# KiCad board panel.opm-inline.kicad_pcb (continued)
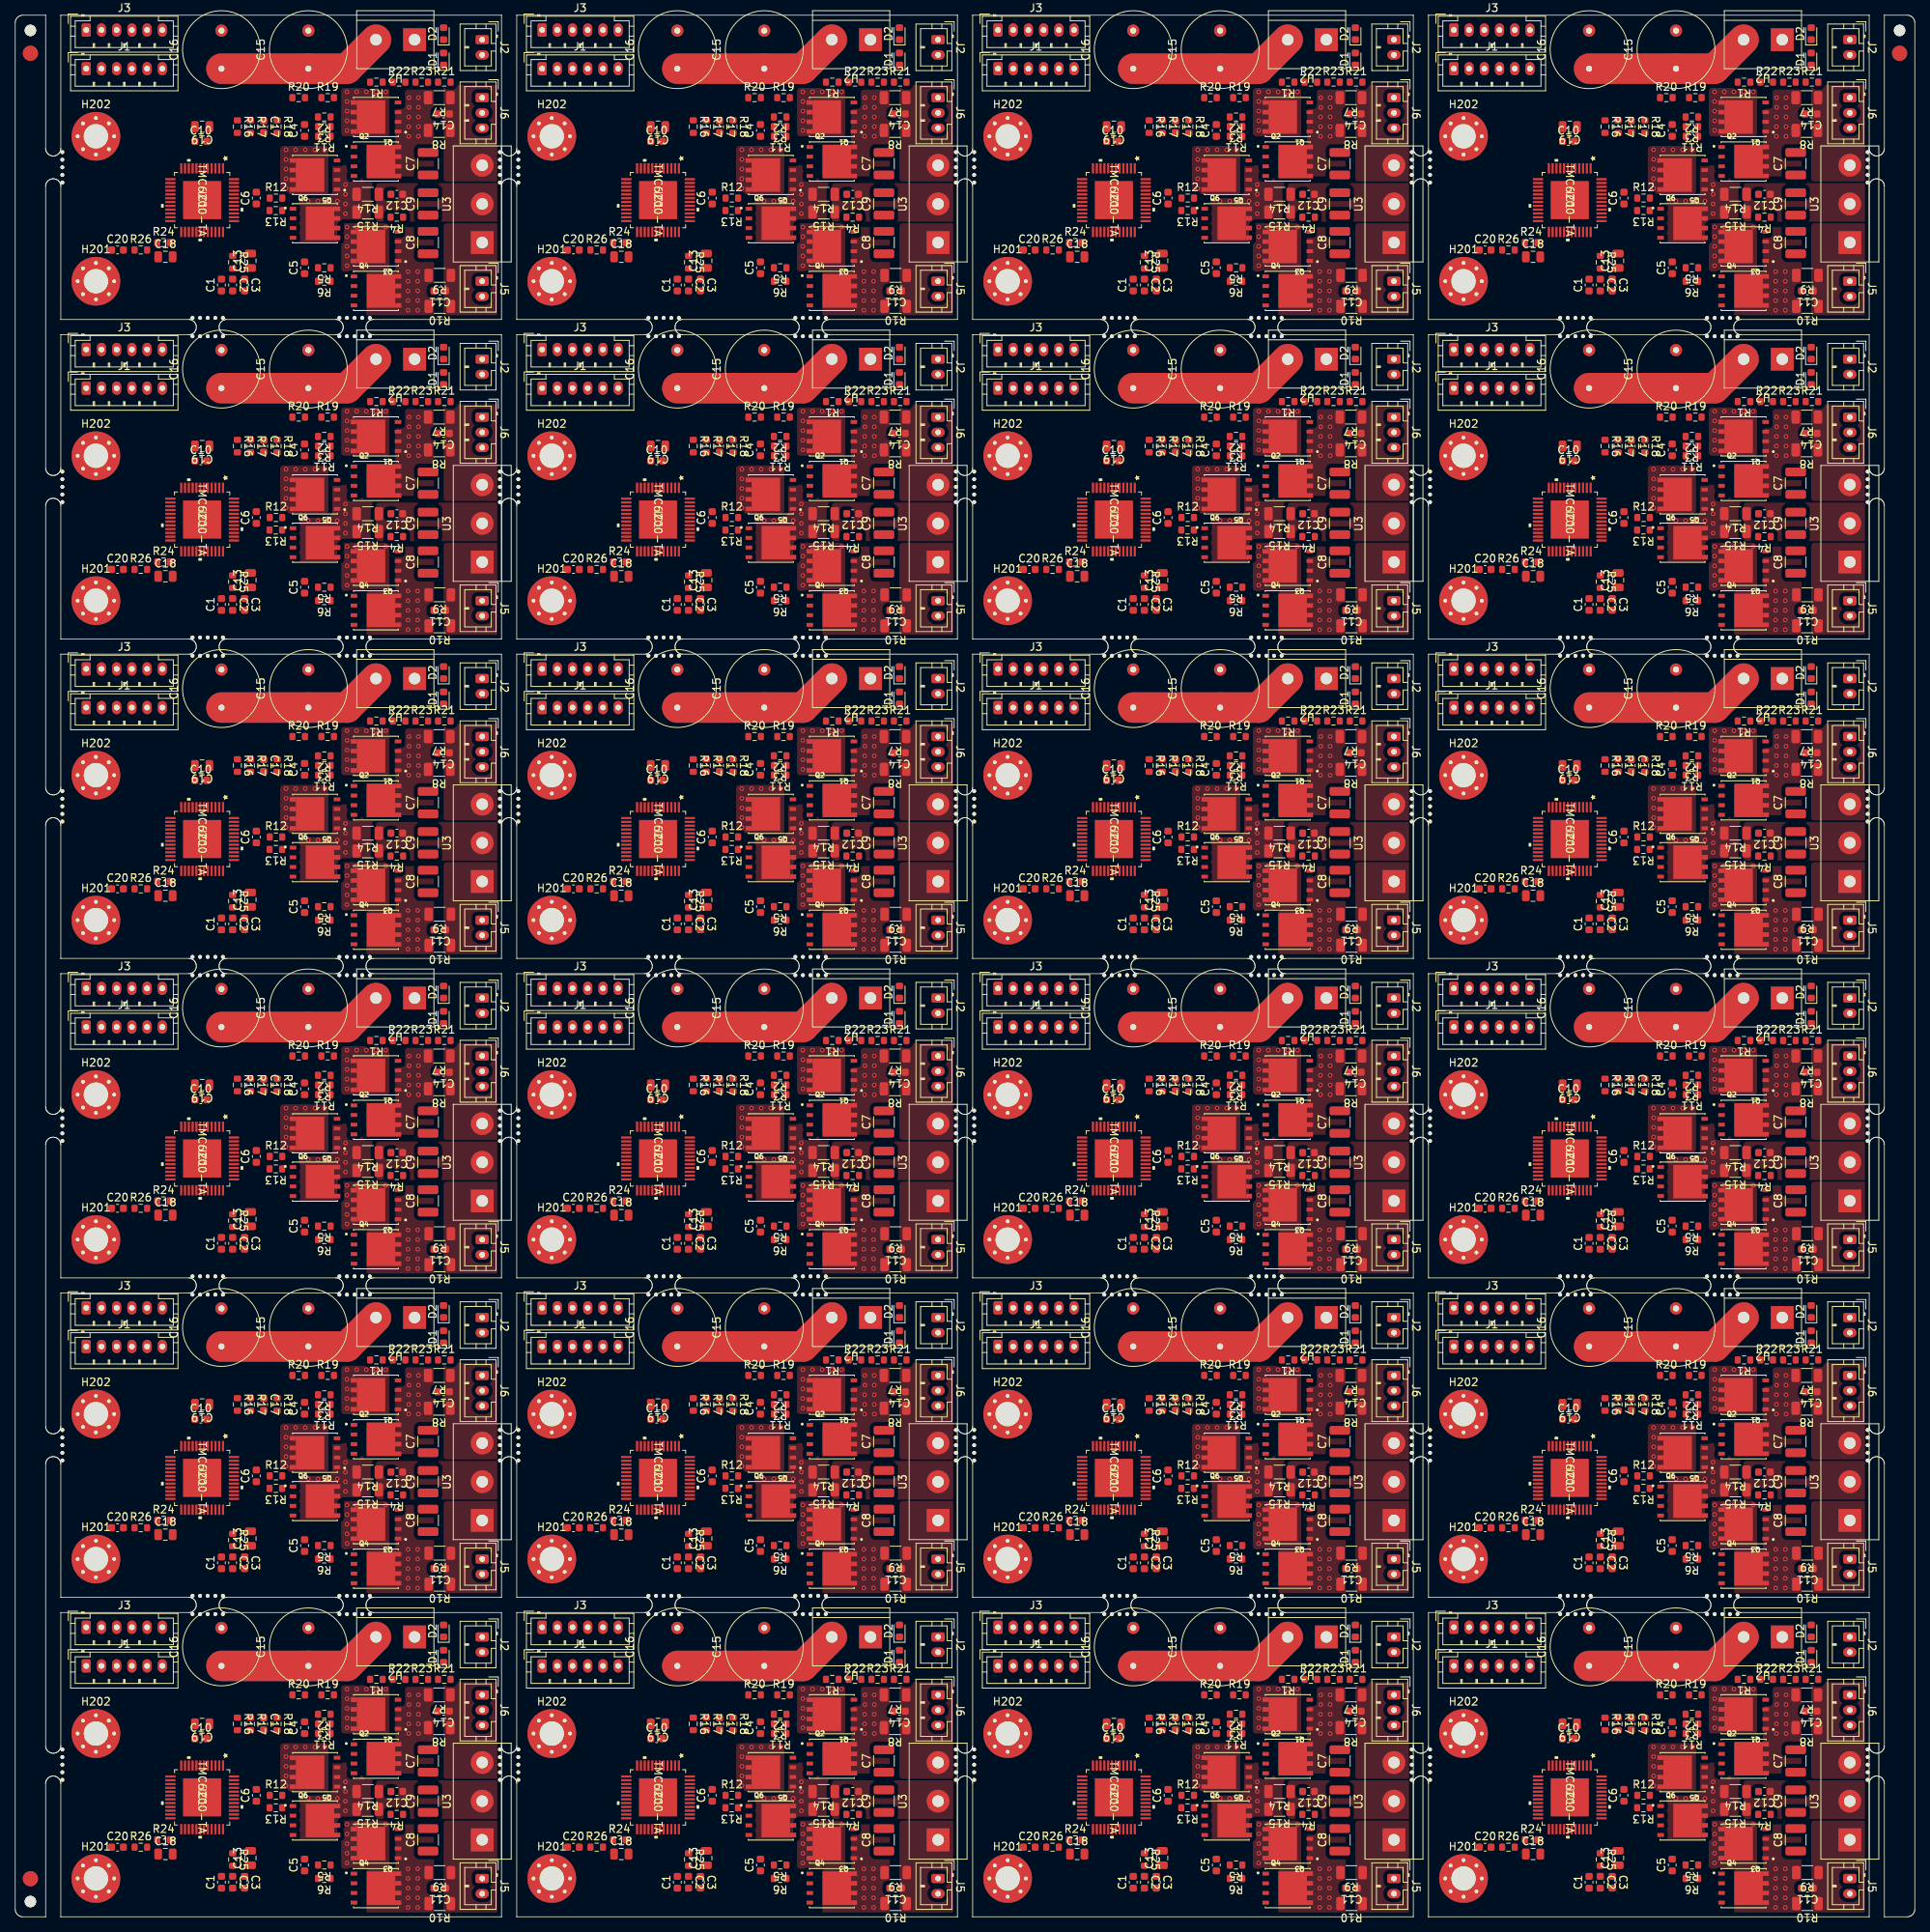
[diagram p0: board, top side]
## Placement (name value [footprint] x y rotation side) (continued)
R15#12  0R005/1%/1W  [R_1206_3216Metric]  226.21 140.1 180 top
R15#13  0R005/1%/1W  [R_1206_3216Metric]  46.36 98.11 180 top
R15#14  0R005/1%/1W  [R_1206_3216Metric]  106.31 98.11 180 top
R15#15  0R005/1%/1W  [R_1206_3216Metric]  166.26 98.11 180 top
R15#16  0R005/1%/1W  [R_1206_3216Metric]  226.21 98.11 180 top
R15#17  0R005/1%/1W  [R_1206_3216Metric]  46.36 56.12 180 top
R15#18  0R005/1%/1W  [R_1206_3216Metric]  106.31 56.12 180 top
R15#19  0R005/1%/1W  [R_1206_3216Metric]  166.26 56.12 180 top
R15#20  0R005/1%/1W  [R_1206_3216Metric]  226.21 56.12 180 top
R15#21  0R005/1%/1W  [R_1206_3216Metric]  46.36 14.13 180 top
R15#22  0R005/1%/1W  [R_1206_3216Metric]  106.31 14.13 180 top
R15#23  0R005/1%/1W  [R_1206_3216Metric]  166.26 14.13 180 top
R15#24  0R005/1%/1W  [R_1206_3216Metric]  226.21 14.13 180 top
R16  10000R/1%  [R_0603_1608Metric]  29.22 235.31 270 top
R16#2  10000R/1%  [R_0603_1608Metric]  89.17 235.31 270 top
R16#3  10000R/1%  [R_0603_1608Metric]  149.12 235.31 270 top
R16#4  10000R/1%  [R_0603_1608Metric]  209.07 235.31 270 top
R16#5  10000R/1%  [R_0603_1608Metric]  29.22 193.32 270 top
R16#6  10000R/1%  [R_0603_1608Metric]  89.17 193.32 270 top
R16#7  10000R/1%  [R_0603_1608Metric]  149.12 193.32 270 top
R16#8  10000R/1%  [R_0603_1608Metric]  209.07 193.32 270 top
R16#9  10000R/1%  [R_0603_1608Metric]  29.22 151.33 270 top
R16#10  10000R/1%  [R_0603_1608Metric]  89.17 151.33 270 top
R16#11  10000R/1%  [R_0603_1608Metric]  149.12 151.33 270 top
R16#12  10000R/1%  [R_0603_1608Metric]  209.07 151.33 270 top
R16#13  10000R/1%  [R_0603_1608Metric]  29.22 109.34 270 top
R16#14  10000R/1%  [R_0603_1608Metric]  89.17 109.34 270 top
R16#15  10000R/1%  [R_0603_1608Metric]  149.12 109.34 270 top
R16#16  10000R/1%  [R_0603_1608Metric]  209.07 109.34 270 top
R16#17  10000R/1%  [R_0603_1608Metric]  29.22 67.35 270 top
R16#18  10000R/1%  [R_0603_1608Metric]  89.17 67.35 270 top
R16#19  10000R/1%  [R_0603_1608Metric]  149.12 67.35 270 top
R16#20  10000R/1%  [R_0603_1608Metric]  209.07 67.35 270 top
R16#21  10000R/1%  [R_0603_1608Metric]  29.22 25.36 270 top
R16#22  10000R/1%  [R_0603_1608Metric]  89.17 25.36 270 top
R16#23  10000R/1%  [R_0603_1608Metric]  149.12 25.36 270 top
R16#24  10000R/1%  [R_0603_1608Metric]  209.07 25.36 270 top
R17  4700R/1%  [R_0603_1608Metric]  30.93 235.31 270 top
R17#2  4700R/1%  [R_0603_1608Metric]  90.88 235.31 270 top
R17#3  4700R/1%  [R_0603_1608Metric]  150.83 235.31 270 top
R17#4  4700R/1%  [R_0603_1608Metric]  210.78 235.31 270 top
R17#5  4700R/1%  [R_0603_1608Metric]  30.93 193.32 270 top
R17#6  4700R/1%  [R_0603_1608Metric]  90.88 193.32 270 top
R17#7  4700R/1%  [R_0603_1608Metric]  150.83 193.32 270 top
R17#8  4700R/1%  [R_0603_1608Metric]  210.78 193.32 270 top
R17#9  4700R/1%  [R_0603_1608Metric]  30.93 151.33 270 top
R17#10  4700R/1%  [R_0603_1608Metric]  90.88 151.33 270 top
R17#11  4700R/1%  [R_0603_1608Metric]  150.83 151.33 270 top
R17#12  4700R/1%  [R_0603_1608Metric]  210.78 151.33 270 top
R17#13  4700R/1%  [R_0603_1608Metric]  30.93 109.34 270 top
R17#14  4700R/1%  [R_0603_1608Metric]  90.88 109.34 270 top
R17#15  4700R/1%  [R_0603_1608Metric]  150.83 109.34 270 top
R17#16  4700R/1%  [R_0603_1608Metric]  210.78 109.34 270 top
R17#17  4700R/1%  [R_0603_1608Metric]  30.93 67.35 270 top
R17#18  4700R/1%  [R_0603_1608Metric]  90.88 67.35 270 top
R17#19  4700R/1%  [R_0603_1608Metric]  150.83 67.35 270 top
R17#20  4700R/1%  [R_0603_1608Metric]  210.78 67.35 270 top
R17#21  4700R/1%  [R_0603_1608Metric]  30.93 25.36 270 top
R17#22  4700R/1%  [R_0603_1608Metric]  90.88 25.36 270 top
R17#23  4700R/1%  [R_0603_1608Metric]  150.83 25.36 270 top
R17#24  4700R/1%  [R_0603_1608Metric]  210.78 25.36 270 top
R18  4700R/1%  [R_0603_1608Metric]  34.44 235.31 270 top
R18#2  4700R/1%  [R_0603_1608Metric]  94.39 235.31 270 top
R18#3  4700R/1%  [R_0603_1608Metric]  154.34 235.31 270 top
R18#4  4700R/1%  [R_0603_1608Metric]  214.29 235.31 270 top
R18#5  4700R/1%  [R_0603_1608Metric]  34.44 193.32 270 top
R18#6  4700R/1%  [R_0603_1608Metric]  94.39 193.32 270 top
R18#7  4700R/1%  [R_0603_1608Metric]  154.34 193.32 270 top
R18#8  4700R/1%  [R_0603_1608Metric]  214.29 193.32 270 top
R18#9  4700R/1%  [R_0603_1608Metric]  34.44 151.33 270 top
R18#10  4700R/1%  [R_0603_1608Metric]  94.39 151.33 270 top
R18#11  4700R/1%  [R_0603_1608Metric]  154.34 151.33 270 top
R18#12  4700R/1%  [R_0603_1608Metric]  214.29 151.33 270 top
R18#13  4700R/1%  [R_0603_1608Metric]  34.44 109.34 270 top
R18#14  4700R/1%  [R_0603_1608Metric]  94.39 109.34 270 top
R18#15  4700R/1%  [R_0603_1608Metric]  154.34 109.34 270 top
R18#16  4700R/1%  [R_0603_1608Metric]  214.29 109.34 270 top
R18#17  4700R/1%  [R_0603_1608Metric]  34.44 67.35 270 top
R18#18  4700R/1%  [R_0603_1608Metric]  94.39 67.35 270 top
R18#19  4700R/1%  [R_0603_1608Metric]  154.34 67.35 270 top
R18#20  4700R/1%  [R_0603_1608Metric]  214.29 67.35 270 top
R18#21  4700R/1%  [R_0603_1608Metric]  34.44 25.36 270 top
R18#22  4700R/1%  [R_0603_1608Metric]  94.39 25.36 270 top
R18#23  4700R/1%  [R_0603_1608Metric]  154.34 25.36 270 top
R18#24  4700R/1%  [R_0603_1608Metric]  214.29 25.36 270 top
R19  1000R/1%  [R_0603_1608Metric]  41.09 239.12 0 top
R19#2  1000R/1%  [R_0603_1608Metric]  101.04 239.12 0 top
R19#3  1000R/1%  [R_0603_1608Metric]  160.99 239.12 0 top
R19#4  1000R/1%  [R_0603_1608Metric]  220.94 239.12 0 top
R19#5  1000R/1%  [R_0603_1608Metric]  41.09 197.13 0 top
R19#6  1000R/1%  [R_0603_1608Metric]  101.04 197.13 0 top
R19#7  1000R/1%  [R_0603_1608Metric]  160.99 197.13 0 top
R19#8  1000R/1%  [R_0603_1608Metric]  220.94 197.13 0 top
R19#9  1000R/1%  [R_0603_1608Metric]  41.09 155.14 0 top
R19#10  1000R/1%  [R_0603_1608Metric]  101.04 155.14 0 top
R19#11  1000R/1%  [R_0603_1608Metric]  160.99 155.14 0 top
R19#12  1000R/1%  [R_0603_1608Metric]  220.94 155.14 0 top
R19#13  1000R/1%  [R_0603_1608Metric]  41.09 113.15 0 top
R19#14  1000R/1%  [R_0603_1608Metric]  101.04 113.15 0 top
R19#15  1000R/1%  [R_0603_1608Metric]  160.99 113.15 0 top
R19#16  1000R/1%  [R_0603_1608Metric]  220.94 113.15 0 top
R19#17  1000R/1%  [R_0603_1608Metric]  41.09 71.16 0 top
R19#18  1000R/1%  [R_0603_1608Metric]  101.04 71.16 0 top
R19#19  1000R/1%  [R_0603_1608Metric]  160.99 71.16 0 top
R19#20  1000R/1%  [R_0603_1608Metric]  220.94 71.16 0 top
R19#21  1000R/1%  [R_0603_1608Metric]  41.09 29.17 0 top
R19#22  1000R/1%  [R_0603_1608Metric]  101.04 29.17 0 top
R19#23  1000R/1%  [R_0603_1608Metric]  160.99 29.17 0 top
R19#24  1000R/1%  [R_0603_1608Metric]  220.94 29.17 0 top
R20  150R/1%  [R_0603_1608Metric]  37.28 239.12 0 top
R20#2  150R/1%  [R_0603_1608Metric]  97.23 239.12 0 top
R20#3  150R/1%  [R_0603_1608Metric]  157.18 239.12 0 top
R20#4  150R/1%  [R_0603_1608Metric]  217.13 239.12 0 top
R20#5  150R/1%  [R_0603_1608Metric]  37.28 197.13 0 top
R20#6  150R/1%  [R_0603_1608Metric]  97.23 197.13 0 top
R20#7  150R/1%  [R_0603_1608Metric]  157.18 197.13 0 top
R20#8  150R/1%  [R_0603_1608Metric]  217.13 197.13 0 top
R20#9  150R/1%  [R_0603_1608Metric]  37.28 155.14 0 top
R20#10  150R/1%  [R_0603_1608Metric]  97.23 155.14 0 top
R20#11  150R/1%  [R_0603_1608Metric]  157.18 155.14 0 top
R20#12  150R/1%  [R_0603_1608Metric]  217.13 155.14 0 top
R20#13  150R/1%  [R_0603_1608Metric]  37.28 113.15 0 top
R20#14  150R/1%  [R_0603_1608Metric]  97.23 113.15 0 top
R20#15  150R/1%  [R_0603_1608Metric]  157.18 113.15 0 top
R20#16  150R/1%  [R_0603_1608Metric]  217.13 113.15 0 top
R20#17  150R/1%  [R_0603_1608Metric]  37.28 71.16 0 top
R20#18  150R/1%  [R_0603_1608Metric]  97.23 71.16 0 top
R20#19  150R/1%  [R_0603_1608Metric]  157.18 71.16 0 top
R20#20  150R/1%  [R_0603_1608Metric]  217.13 71.16 0 top
R20#21  150R/1%  [R_0603_1608Metric]  37.28 29.17 0 top
R20#22  150R/1%  [R_0603_1608Metric]  97.23 29.17 0 top
R20#23  150R/1%  [R_0603_1608Metric]  157.18 29.17 0 top
R20#24  150R/1%  [R_0603_1608Metric]  217.13 29.17 0 top
R21  1000R/1%  [R_0603_1608Metric]  56.43 241.16 0 top
R21#2  1000R/1%  [R_0603_1608Metric]  116.38 241.16 0 top
R21#3  1000R/1%  [R_0603_1608Metric]  176.33 241.16 0 top
R21#4  1000R/1%  [R_0603_1608Metric]  236.28 241.16 0 top
R21#5  1000R/1%  [R_0603_1608Metric]  56.43 199.17 0 top
R21#6  1000R/1%  [R_0603_1608Metric]  116.38 199.17 0 top
R21#7  1000R/1%  [R_0603_1608Metric]  176.33 199.17 0 top
R21#8  1000R/1%  [R_0603_1608Metric]  236.28 199.17 0 top
R21#9  1000R/1%  [R_0603_1608Metric]  56.43 157.18 0 top
R21#10  1000R/1%  [R_0603_1608Metric]  116.38 157.18 0 top
R21#11  1000R/1%  [R_0603_1608Metric]  176.33 157.18 0 top
R21#12  1000R/1%  [R_0603_1608Metric]  236.28 157.18 0 top
R21#13  1000R/1%  [R_0603_1608Metric]  56.43 115.19 0 top
R21#14  1000R/1%  [R_0603_1608Metric]  116.38 115.19 0 top
R21#15  1000R/1%  [R_0603_1608Metric]  176.33 115.19 0 top
R21#16  1000R/1%  [R_0603_1608Metric]  236.28 115.19 0 top
R21#17  1000R/1%  [R_0603_1608Metric]  56.43 73.2 0 top
R21#18  1000R/1%  [R_0603_1608Metric]  116.38 73.2 0 top
R21#19  1000R/1%  [R_0603_1608Metric]  176.33 73.2 0 top
R21#20  1000R/1%  [R_0603_1608Metric]  236.28 73.2 0 top
R21#21  1000R/1%  [R_0603_1608Metric]  56.43 31.21 0 top
R21#22  1000R/1%  [R_0603_1608Metric]  116.38 31.21 0 top
R21#23  1000R/1%  [R_0603_1608Metric]  176.33 31.21 0 top
R21#24  1000R/1%  [R_0603_1608Metric]  236.28 31.21 0 top
R22  0R  [R_0603_1608Metric]  50.48 241.16 0 top
R22#2  0R  [R_0603_1608Metric]  110.43 241.16 0 top
R22#3  0R  [R_0603_1608Metric]  170.38 241.16 0 top
R22#4  0R  [R_0603_1608Metric]  230.33 241.16 0 top
R22#5  0R  [R_0603_1608Metric]  50.48 199.17 0 top
R22#6  0R  [R_0603_1608Metric]  110.43 199.17 0 top
R22#7  0R  [R_0603_1608Metric]  170.38 199.17 0 top
R22#8  0R  [R_0603_1608Metric]  230.33 199.17 0 top
R22#9  0R  [R_0603_1608Metric]  50.48 157.18 0 top
R22#10  0R  [R_0603_1608Metric]  110.43 157.18 0 top
R22#11  0R  [R_0603_1608Metric]  170.38 157.18 0 top
R22#12  0R  [R_0603_1608Metric]  230.33 157.18 0 top
R22#13  0R  [R_0603_1608Metric]  50.48 115.19 0 top
R22#14  0R  [R_0603_1608Metric]  110.43 115.19 0 top
R22#15  0R  [R_0603_1608Metric]  170.38 115.19 0 top
R22#16  0R  [R_0603_1608Metric]  230.33 115.19 0 top
R22#17  0R  [R_0603_1608Metric]  50.48 73.2 0 top
R22#18  0R  [R_0603_1608Metric]  110.43 73.2 0 top
R22#19  0R  [R_0603_1608Metric]  170.38 73.2 0 top
R22#20  0R  [R_0603_1608Metric]  230.33 73.2 0 top
R22#21  0R  [R_0603_1608Metric]  50.48 31.21 0 top
R22#22  0R  [R_0603_1608Metric]  110.43 31.21 0 top
R22#23  0R  [R_0603_1608Metric]  170.38 31.21 0 top
R22#24  0R  [R_0603_1608Metric]  230.33 31.21 0 top
R23  1500R/1%  [R_0603_1608Metric]  53.47 241.16 0 top
R23#2  1500R/1%  [R_0603_1608Metric]  113.42 241.16 0 top
R23#3  1500R/1%  [R_0603_1608Metric]  173.37 241.16 0 top
R23#4  1500R/1%  [R_0603_1608Metric]  233.32 241.16 0 top
R23#5  1500R/1%  [R_0603_1608Metric]  53.47 199.17 0 top
R23#6  1500R/1%  [R_0603_1608Metric]  113.42 199.17 0 top
R23#7  1500R/1%  [R_0603_1608Metric]  173.37 199.17 0 top
R23#8  1500R/1%  [R_0603_1608Metric]  233.32 199.17 0 top
R23#9  1500R/1%  [R_0603_1608Metric]  53.47 157.18 0 top
R23#10  1500R/1%  [R_0603_1608Metric]  113.42 157.18 0 top
R23#11  1500R/1%  [R_0603_1608Metric]  173.37 157.18 0 top
R23#12  1500R/1%  [R_0603_1608Metric]  233.32 157.18 0 top
R23#13  1500R/1%  [R_0603_1608Metric]  53.47 115.19 0 top
R23#14  1500R/1%  [R_0603_1608Metric]  113.42 115.19 0 top
R23#15  1500R/1%  [R_0603_1608Metric]  173.37 115.19 0 top
R23#16  1500R/1%  [R_0603_1608Metric]  233.32 115.19 0 top
R23#17  1500R/1%  [R_0603_1608Metric]  53.47 73.2 0 top
R23#18  1500R/1%  [R_0603_1608Metric]  113.42 73.2 0 top
R23#19  1500R/1%  [R_0603_1608Metric]  173.37 73.2 0 top
R23#20  1500R/1%  [R_0603_1608Metric]  233.32 73.2 0 top
R23#21  1500R/1%  [R_0603_1608Metric]  53.47 31.21 0 top
R23#22  1500R/1%  [R_0603_1608Metric]  113.42 31.21 0 top
R23#23  1500R/1%  [R_0603_1608Metric]  173.37 31.21 0 top
R23#24  1500R/1%  [R_0603_1608Metric]  233.32 31.21 0 top
R24  4700R/1%  [R_0603_1608Metric]  19.5 220.07 0 top
R24#2  4700R/1%  [R_0603_1608Metric]  79.45 220.07 0 top
R24#3  4700R/1%  [R_0603_1608Metric]  139.4 220.07 0 top
R24#4  4700R/1%  [R_0603_1608Metric]  199.35 220.07 0 top
R24#5  4700R/1%  [R_0603_1608Metric]  19.5 178.08 0 top
R24#6  4700R/1%  [R_0603_1608Metric]  79.45 178.08 0 top
R24#7  4700R/1%  [R_0603_1608Metric]  139.4 178.08 0 top
R24#8  4700R/1%  [R_0603_1608Metric]  199.35 178.08 0 top
R24#9  4700R/1%  [R_0603_1608Metric]  19.5 136.09 0 top
R24#10  4700R/1%  [R_0603_1608Metric]  79.45 136.09 0 top
R24#11  4700R/1%  [R_0603_1608Metric]  139.4 136.09 0 top
R24#12  4700R/1%  [R_0603_1608Metric]  199.35 136.09 0 top
R24#13  4700R/1%  [R_0603_1608Metric]  19.5 94.1 0 top
R24#14  4700R/1%  [R_0603_1608Metric]  79.45 94.1 0 top
R24#15  4700R/1%  [R_0603_1608Metric]  139.4 94.1 0 top
R24#16  4700R/1%  [R_0603_1608Metric]  199.35 94.1 0 top
R24#17  4700R/1%  [R_0603_1608Metric]  19.5 52.11 0 top
R24#18  4700R/1%  [R_0603_1608Metric]  79.45 52.11 0 top
R24#19  4700R/1%  [R_0603_1608Metric]  139.4 52.11 0 top
R24#20  4700R/1%  [R_0603_1608Metric]  199.35 52.11 0 top
R24#21  4700R/1%  [R_0603_1608Metric]  19.5 10.12 0 top
R24#22  4700R/1%  [R_0603_1608Metric]  79.45 10.12 0 top
R24#23  4700R/1%  [R_0603_1608Metric]  139.4 10.12 0 top
R24#24  4700R/1%  [R_0603_1608Metric]  199.35 10.12 0 top
R25  0Ω  [R_0603_1608Metric]  28.59 217.48 270 top
R25#2  0Ω  [R_0603_1608Metric]  88.54 217.48 270 top
R25#3  0Ω  [R_0603_1608Metric]  148.49 217.48 270 top
R25#4  0Ω  [R_0603_1608Metric]  208.44 217.48 270 top
R25#5  0Ω  [R_0603_1608Metric]  28.59 175.49 270 top
R25#6  0Ω  [R_0603_1608Metric]  88.54 175.49 270 top
R25#7  0Ω  [R_0603_1608Metric]  148.49 175.49 270 top
R25#8  0Ω  [R_0603_1608Metric]  208.44 175.49 270 top
R25#9  0Ω  [R_0603_1608Metric]  28.59 133.5 270 top
R25#10  0Ω  [R_0603_1608Metric]  88.54 133.5 270 top
R25#11  0Ω  [R_0603_1608Metric]  148.49 133.5 270 top
R25#12  0Ω  [R_0603_1608Metric]  208.44 133.5 270 top
R25#13  0Ω  [R_0603_1608Metric]  28.59 91.51 270 top
R25#14  0Ω  [R_0603_1608Metric]  88.54 91.51 270 top
R25#15  0Ω  [R_0603_1608Metric]  148.49 91.51 270 top
R25#16  0Ω  [R_0603_1608Metric]  208.44 91.51 270 top
R25#17  0Ω  [R_0603_1608Metric]  28.59 49.52 270 top
R25#18  0Ω  [R_0603_1608Metric]  88.54 49.52 270 top
R25#19  0Ω  [R_0603_1608Metric]  148.49 49.52 270 top
R25#20  0Ω  [R_0603_1608Metric]  208.44 49.52 270 top
R25#21  0Ω  [R_0603_1608Metric]  28.59 7.53 270 top
R25#22  0Ω  [R_0603_1608Metric]  88.54 7.53 270 top
R25#23  0Ω  [R_0603_1608Metric]  148.49 7.53 270 top
R25#24  0Ω  [R_0603_1608Metric]  208.44 7.53 270 top
R26  0R  [R_0603_1608Metric]  16.52 219.1 0 top
R26#2  0R  [R_0603_1608Metric]  76.47 219.1 0 top
R26#3  0R  [R_0603_1608Metric]  136.42 219.1 0 top
R26#4  0R  [R_0603_1608Metric]  196.37 219.1 0 top
R26#5  0R  [R_0603_1608Metric]  16.52 177.11 0 top
R26#6  0R  [R_0603_1608Metric]  76.47 177.11 0 top
R26#7  0R  [R_0603_1608Metric]  136.42 177.11 0 top
R26#8  0R  [R_0603_1608Metric]  196.37 177.11 0 top
R26#9  0R  [R_0603_1608Metric]  16.52 135.12 0 top
R26#10  0R  [R_0603_1608Metric]  76.47 135.12 0 top
R26#11  0R  [R_0603_1608Metric]  136.42 135.12 0 top
R26#12  0R  [R_0603_1608Metric]  196.37 135.12 0 top
R26#13  0R  [R_0603_1608Metric]  16.52 93.13 0 top
R26#14  0R  [R_0603_1608Metric]  76.47 93.13 0 top
R26#15  0R  [R_0603_1608Metric]  136.42 93.13 0 top
R26#16  0R  [R_0603_1608Metric]  196.37 93.13 0 top
R26#17  0R  [R_0603_1608Metric]  16.52 51.14 0 top
R26#18  0R  [R_0603_1608Metric]  76.47 51.14 0 top
R26#19  0R  [R_0603_1608Metric]  136.42 51.14 0 top
R26#20  0R  [R_0603_1608Metric]  196.37 51.14 0 top
R26#21  0R  [R_0603_1608Metric]  16.52 9.15 0 top
R26#22  0R  [R_0603_1608Metric]  76.47 9.15 0 top
R26#23  0R  [R_0603_1608Metric]  136.42 9.15 0 top
R26#24  0R  [R_0603_1608Metric]  196.37 9.15 0 top
REF**  -  [NPTH]  2 247.95 0 top
REF**#2  -  [NPTH]  247.8 247.95 0 top
REF**#3  -  [NPTH]  2 2 0 top
REF**#4  -  [Fiducial]  2 244.95 0 top
REF**#5  -  [Fiducial]  247.8 244.95 0 top
REF**#6  -  [Fiducial]  2 5 0 top
REF**#7  -  [NPTH#2]  6.2 227.96 0 top
REF**#8  -  [NPTH#2]  6.2 228.96 0 top
REF**#9  -  [NPTH#2]  6.2 229.96 0 top
REF**#10  -  [NPTH#2]  6.2 230.96 0 top
REF**#11  -  [NPTH#2]  6.2 231.96 0 top
REF**#12  -  [NPTH#2]  63.75 231.96 0 top
REF**#13  -  [NPTH#2]  63.75 230.96 0 top
REF**#14  -  [NPTH#2]  63.75 229.96 0 top
REF**#15  -  [NPTH#2]  63.75 228.96 0 top
REF**#16  -  [NPTH#2]  63.75 227.96 0 top
REF**#17  -  [NPTH#2]  27.31 210.16 0 top
REF**#18  -  [NPTH#2]  26.31 210.16 0 top
REF**#19  -  [NPTH#2]  25.31 210.16 0 top
REF**#20  -  [NPTH#2]  24.31 210.16 0 top
REF**#21  -  [NPTH#2]  23.31 210.16 0 top
REF**#22  -  [NPTH#2]  46.63 210.16 0 top
REF**#23  -  [NPTH#2]  45.63 210.16 0 top
REF**#24  -  [NPTH#2]  44.63 210.16 0 top
REF**#25  -  [NPTH#2]  43.63 210.16 0 top
REF**#26  -  [NPTH#2]  42.63 210.16 0 top
REF**#27  -  [NPTH#2]  66.16 227.96 0 top
REF**#28  -  [NPTH#2]  66.16 228.96 0 top
REF**#29  -  [NPTH#2]  66.16 229.96 0 top
REF**#30  -  [NPTH#2]  66.16 230.96 0 top
REF**#31  -  [NPTH#2]  66.16 231.96 0 top
REF**#32  -  [NPTH#2]  123.71 231.96 0 top
REF**#33  -  [NPTH#2]  123.71 230.96 0 top
REF**#34  -  [NPTH#2]  123.71 229.96 0 top
REF**#35  -  [NPTH#2]  123.71 228.96 0 top
REF**#36  -  [NPTH#2]  123.71 227.96 0 top
REF**#37  -  [NPTH#2]  87.27 210.16 0 top
REF**#38  -  [NPTH#2]  86.27 210.16 0 top
REF**#39  -  [NPTH#2]  85.27 210.16 0 top
REF**#40  -  [NPTH#2]  84.27 210.16 0 top
REF**#41  -  [NPTH#2]  83.27 210.16 0 top
REF**#42  -  [NPTH#2]  106.59 210.16 0 top
REF**#43  -  [NPTH#2]  105.59 210.16 0 top
REF**#44  -  [NPTH#2]  104.59 210.16 0 top
REF**#45  -  [NPTH#2]  103.59 210.16 0 top
REF**#46  -  [NPTH#2]  102.59 210.16 0 top
REF**#47  -  [NPTH#2]  126.11 227.96 0 top
REF**#48  -  [NPTH#2]  126.11 228.96 0 top
REF**#49  -  [NPTH#2]  126.11 229.96 0 top
REF**#50  -  [NPTH#2]  126.11 230.96 0 top
REF**#51  -  [NPTH#2]  126.11 231.96 0 top
REF**#52  -  [NPTH#2]  183.66 231.96 0 top
REF**#53  -  [NPTH#2]  183.66 230.96 0 top
REF**#54  -  [NPTH#2]  183.66 229.96 0 top
REF**#55  -  [NPTH#2]  183.66 228.96 0 top
REF**#56  -  [NPTH#2]  183.66 227.96 0 top
REF**#57  -  [NPTH#2]  147.22 210.16 0 top
REF**#58  -  [NPTH#2]  146.22 210.16 0 top
REF**#59  -  [NPTH#2]  145.22 210.16 0 top
REF**#60  -  [NPTH#2]  144.22 210.16 0 top
REF**#61  -  [NPTH#2]  143.22 210.16 0 top
REF**#62  -  [NPTH#2]  166.54 210.16 0 top
REF**#63  -  [NPTH#2]  165.54 210.16 0 top
REF**#64  -  [NPTH#2]  164.54 210.16 0 top
REF**#65  -  [NPTH#2]  163.54 210.16 0 top
REF**#66  -  [NPTH#2]  162.54 210.16 0 top
REF**#67  -  [NPTH#2]  186.06 227.96 0 top
REF**#68  -  [NPTH#2]  186.06 228.96 0 top
REF**#69  -  [NPTH#2]  186.06 229.96 0 top
REF**#70  -  [NPTH#2]  186.06 230.96 0 top
REF**#71  -  [NPTH#2]  186.06 231.96 0 top
REF**#72  -  [NPTH#2]  243.61 231.96 0 top
REF**#73  -  [NPTH#2]  243.61 230.96 0 top
REF**#74  -  [NPTH#2]  243.61 229.96 0 top
REF**#75  -  [NPTH#2]  243.61 228.96 0 top
REF**#76  -  [NPTH#2]  243.61 227.96 0 top
REF**#77  -  [NPTH#2]  207.17 210.16 0 top
REF**#78  -  [NPTH#2]  206.17 210.16 0 top
REF**#79  -  [NPTH#2]  205.17 210.16 0 top
REF**#80  -  [NPTH#2]  204.17 210.16 0 top
REF**#81  -  [NPTH#2]  203.17 210.16 0 top
REF**#82  -  [NPTH#2]  226.49 210.16 0 top
REF**#83  -  [NPTH#2]  225.49 210.16 0 top
REF**#84  -  [NPTH#2]  224.49 210.16 0 top
REF**#85  -  [NPTH#2]  223.49 210.16 0 top
REF**#86  -  [NPTH#2]  222.49 210.16 0 top
REF**#87  -  [NPTH#2]  6.2 185.96 0 top
REF**#88  -  [NPTH#2]  6.2 186.96 0 top
REF**#89  -  [NPTH#2]  6.2 187.96 0 top
REF**#90  -  [NPTH#2]  6.2 188.96 0 top
REF**#91  -  [NPTH#2]  6.2 189.96 0 top
REF**#92  -  [NPTH#2]  63.75 189.96 0 top
REF**#93  -  [NPTH#2]  63.75 188.96 0 top
REF**#94  -  [NPTH#2]  63.75 187.96 0 top
REF**#95  -  [NPTH#2]  63.75 186.96 0 top
REF**#96  -  [NPTH#2]  63.75 185.96 0 top
REF**#97  -  [NPTH#2]  23.31 207.75 0 top
REF**#98  -  [NPTH#2]  24.31 207.75 0 top
REF**#99  -  [NPTH#2]  25.31 207.75 0 top
REF**#100  -  [NPTH#2]  26.31 207.75 0 top
REF**#101  -  [NPTH#2]  27.31 207.75 0 top
REF**#102  -  [NPTH#2]  42.63 207.75 0 top
REF**#103  -  [NPTH#2]  43.63 207.75 0 top
REF**#104  -  [NPTH#2]  44.63 207.75 0 top
REF**#105  -  [NPTH#2]  45.63 207.75 0 top
REF**#106  -  [NPTH#2]  46.63 207.75 0 top
REF**#107  -  [NPTH#2]  27.31 168.16 0 top
REF**#108  -  [NPTH#2]  26.31 168.16 0 top
REF**#109  -  [NPTH#2]  25.31 168.16 0 top
REF**#110  -  [NPTH#2]  24.31 168.16 0 top
REF**#111  -  [NPTH#2]  23.31 168.16 0 top
REF**#112  -  [NPTH#2]  46.63 168.16 0 top
REF**#113  -  [NPTH#2]  45.63 168.16 0 top
REF**#114  -  [NPTH#2]  44.63 168.16 0 top
REF**#115  -  [NPTH#2]  43.63 168.16 0 top
REF**#116  -  [NPTH#2]  42.63 168.16 0 top
REF**#117  -  [NPTH#2]  66.16 185.96 0 top
REF**#118  -  [NPTH#2]  66.16 186.96 0 top
REF**#119  -  [NPTH#2]  66.16 187.96 0 top
REF**#120  -  [NPTH#2]  66.16 188.96 0 top
REF**#121  -  [NPTH#2]  66.16 189.96 0 top
REF**#122  -  [NPTH#2]  123.71 189.96 0 top
REF**#123  -  [NPTH#2]  123.71 188.96 0 top
REF**#124  -  [NPTH#2]  123.71 187.96 0 top
REF**#125  -  [NPTH#2]  123.71 186.96 0 top
REF**#126  -  [NPTH#2]  123.71 185.96 0 top
REF**#127  -  [NPTH#2]  83.27 207.75 0 top
REF**#128  -  [NPTH#2]  84.27 207.75 0 top
REF**#129  -  [NPTH#2]  85.27 207.75 0 top
REF**#130  -  [NPTH#2]  86.27 207.75 0 top
REF**#131  -  [NPTH#2]  87.27 207.75 0 top
REF**#132  -  [NPTH#2]  102.59 207.75 0 top
REF**#133  -  [NPTH#2]  103.59 207.75 0 top
REF**#134  -  [NPTH#2]  104.59 207.75 0 top
REF**#135  -  [NPTH#2]  105.59 207.75 0 top
REF**#136  -  [NPTH#2]  106.59 207.75 0 top
REF**#137  -  [NPTH#2]  87.27 168.16 0 top
REF**#138  -  [NPTH#2]  86.27 168.16 0 top
REF**#139  -  [NPTH#2]  85.27 168.16 0 top
REF**#140  -  [NPTH#2]  84.27 168.16 0 top
REF**#141  -  [NPTH#2]  83.27 168.16 0 top
REF**#142  -  [NPTH#2]  106.59 168.16 0 top
REF**#143  -  [NPTH#2]  105.59 168.16 0 top
REF**#144  -  [NPTH#2]  104.59 168.16 0 top
REF**#145  -  [NPTH#2]  103.59 168.16 0 top
REF**#146  -  [NPTH#2]  102.59 168.16 0 top
REF**#147  -  [NPTH#2]  126.11 185.96 0 top
REF**#148  -  [NPTH#2]  126.11 186.96 0 top
REF**#149  -  [NPTH#2]  126.11 187.96 0 top
REF**#150  -  [NPTH#2]  126.11 188.96 0 top
REF**#151  -  [NPTH#2]  126.11 189.96 0 top
REF**#152  -  [NPTH#2]  183.66 189.96 0 top
REF**#153  -  [NPTH#2]  183.66 188.96 0 top
REF**#154  -  [NPTH#2]  183.66 187.96 0 top
REF**#155  -  [NPTH#2]  183.66 186.96 0 top
REF**#156  -  [NPTH#2]  183.66 185.96 0 top
REF**#157  -  [NPTH#2]  143.22 207.75 0 top
REF**#158  -  [NPTH#2]  144.22 207.75 0 top
REF**#159  -  [NPTH#2]  145.22 207.75 0 top
REF**#160  -  [NPTH#2]  146.22 207.75 0 top
REF**#161  -  [NPTH#2]  147.22 207.75 0 top
REF**#162  -  [NPTH#2]  162.54 207.75 0 top
REF**#163  -  [NPTH#2]  163.54 207.75 0 top
REF**#164  -  [NPTH#2]  164.54 207.75 0 top
REF**#165  -  [NPTH#2]  165.54 207.75 0 top
REF**#166  -  [NPTH#2]  166.54 207.75 0 top
REF**#167  -  [NPTH#2]  147.22 168.16 0 top
REF**#168  -  [NPTH#2]  146.22 168.16 0 top
REF**#169  -  [NPTH#2]  145.22 168.16 0 top
REF**#170  -  [NPTH#2]  144.22 168.16 0 top
REF**#171  -  [NPTH#2]  143.22 168.16 0 top
REF**#172  -  [NPTH#2]  166.54 168.16 0 top
REF**#173  -  [NPTH#2]  165.54 168.16 0 top
REF**#174  -  [NPTH#2]  164.54 168.16 0 top
REF**#175  -  [NPTH#2]  163.54 168.16 0 top
REF**#176  -  [NPTH#2]  162.54 168.16 0 top
REF**#177  -  [NPTH#2]  186.06 185.96 0 top
REF**#178  -  [NPTH#2]  186.06 186.96 0 top
REF**#179  -  [NPTH#2]  186.06 187.96 0 top
REF**#180  -  [NPTH#2]  186.06 188.96 0 top
REF**#181  -  [NPTH#2]  186.06 189.96 0 top
REF**#182  -  [NPTH#2]  243.61 189.96 0 top
REF**#183  -  [NPTH#2]  243.61 188.96 0 top
REF**#184  -  [NPTH#2]  243.61 187.96 0 top
REF**#185  -  [NPTH#2]  243.61 186.96 0 top
REF**#186  -  [NPTH#2]  243.61 185.96 0 top
REF**#187  -  [NPTH#2]  203.17 207.75 0 top
REF**#188  -  [NPTH#2]  204.17 207.75 0 top
REF**#189  -  [NPTH#2]  205.17 207.75 0 top
REF**#190  -  [NPTH#2]  206.17 207.75 0 top
REF**#191  -  [NPTH#2]  207.17 207.75 0 top
REF**#192  -  [NPTH#2]  222.49 207.75 0 top
REF**#193  -  [NPTH#2]  223.49 207.75 0 top
REF**#194  -  [NPTH#2]  224.49 207.75 0 top
REF**#195  -  [NPTH#2]  225.49 207.75 0 top
REF**#196  -  [NPTH#2]  226.49 207.75 0 top
REF**#197  -  [NPTH#2]  207.17 168.16 0 top
REF**#198  -  [NPTH#2]  206.17 168.16 0 top
REF**#199  -  [NPTH#2]  205.17 168.16 0 top
REF**#200  -  [NPTH#2]  204.17 168.16 0 top
REF**#201  -  [NPTH#2]  203.17 168.16 0 top
REF**#202  -  [NPTH#2]  226.49 168.16 0 top
REF**#203  -  [NPTH#2]  225.49 168.16 0 top
REF**#204  -  [NPTH#2]  224.49 168.16 0 top
REF**#205  -  [NPTH#2]  223.49 168.16 0 top
REF**#206  -  [NPTH#2]  222.49 168.16 0 top
REF**#207  -  [NPTH#2]  6.2 143.97 0 top
REF**#208  -  [NPTH#2]  6.2 144.97 0 top
REF**#209  -  [NPTH#2]  6.2 145.97 0 top
REF**#210  -  [NPTH#2]  6.2 146.97 0 top
REF**#211  -  [NPTH#2]  6.2 147.97 0 top
REF**#212  -  [NPTH#2]  63.75 147.97 0 top
REF**#213  -  [NPTH#2]  63.75 146.97 0 top
REF**#214  -  [NPTH#2]  63.75 145.97 0 top
REF**#215  -  [NPTH#2]  63.75 144.97 0 top
REF**#216  -  [NPTH#2]  63.75 143.97 0 top
REF**#217  -  [NPTH#2]  23.31 165.76 0 top
REF**#218  -  [NPTH#2]  24.31 165.76 0 top
REF**#219  -  [NPTH#2]  25.31 165.76 0 top
REF**#220  -  [NPTH#2]  26.31 165.76 0 top
REF**#221  -  [NPTH#2]  27.31 165.76 0 top
REF**#222  -  [NPTH#2]  42.63 165.76 0 top
REF**#223  -  [NPTH#2]  43.63 165.76 0 top
REF**#224  -  [NPTH#2]  44.63 165.76 0 top
